# Altium PCB Stabilizer.PCBDOC (part 6 of 8)
Units mil, origin at the board's own origin, x right, y up, seen from the top; angles counter-clockwise.
Board outline 6397 x 3937 mil, 4 copper layers (Top, GP1(GND), L3, Bot), stack 64.883 mil thick; 687 components, 419 nets, 2137 pads, 1042 vias.
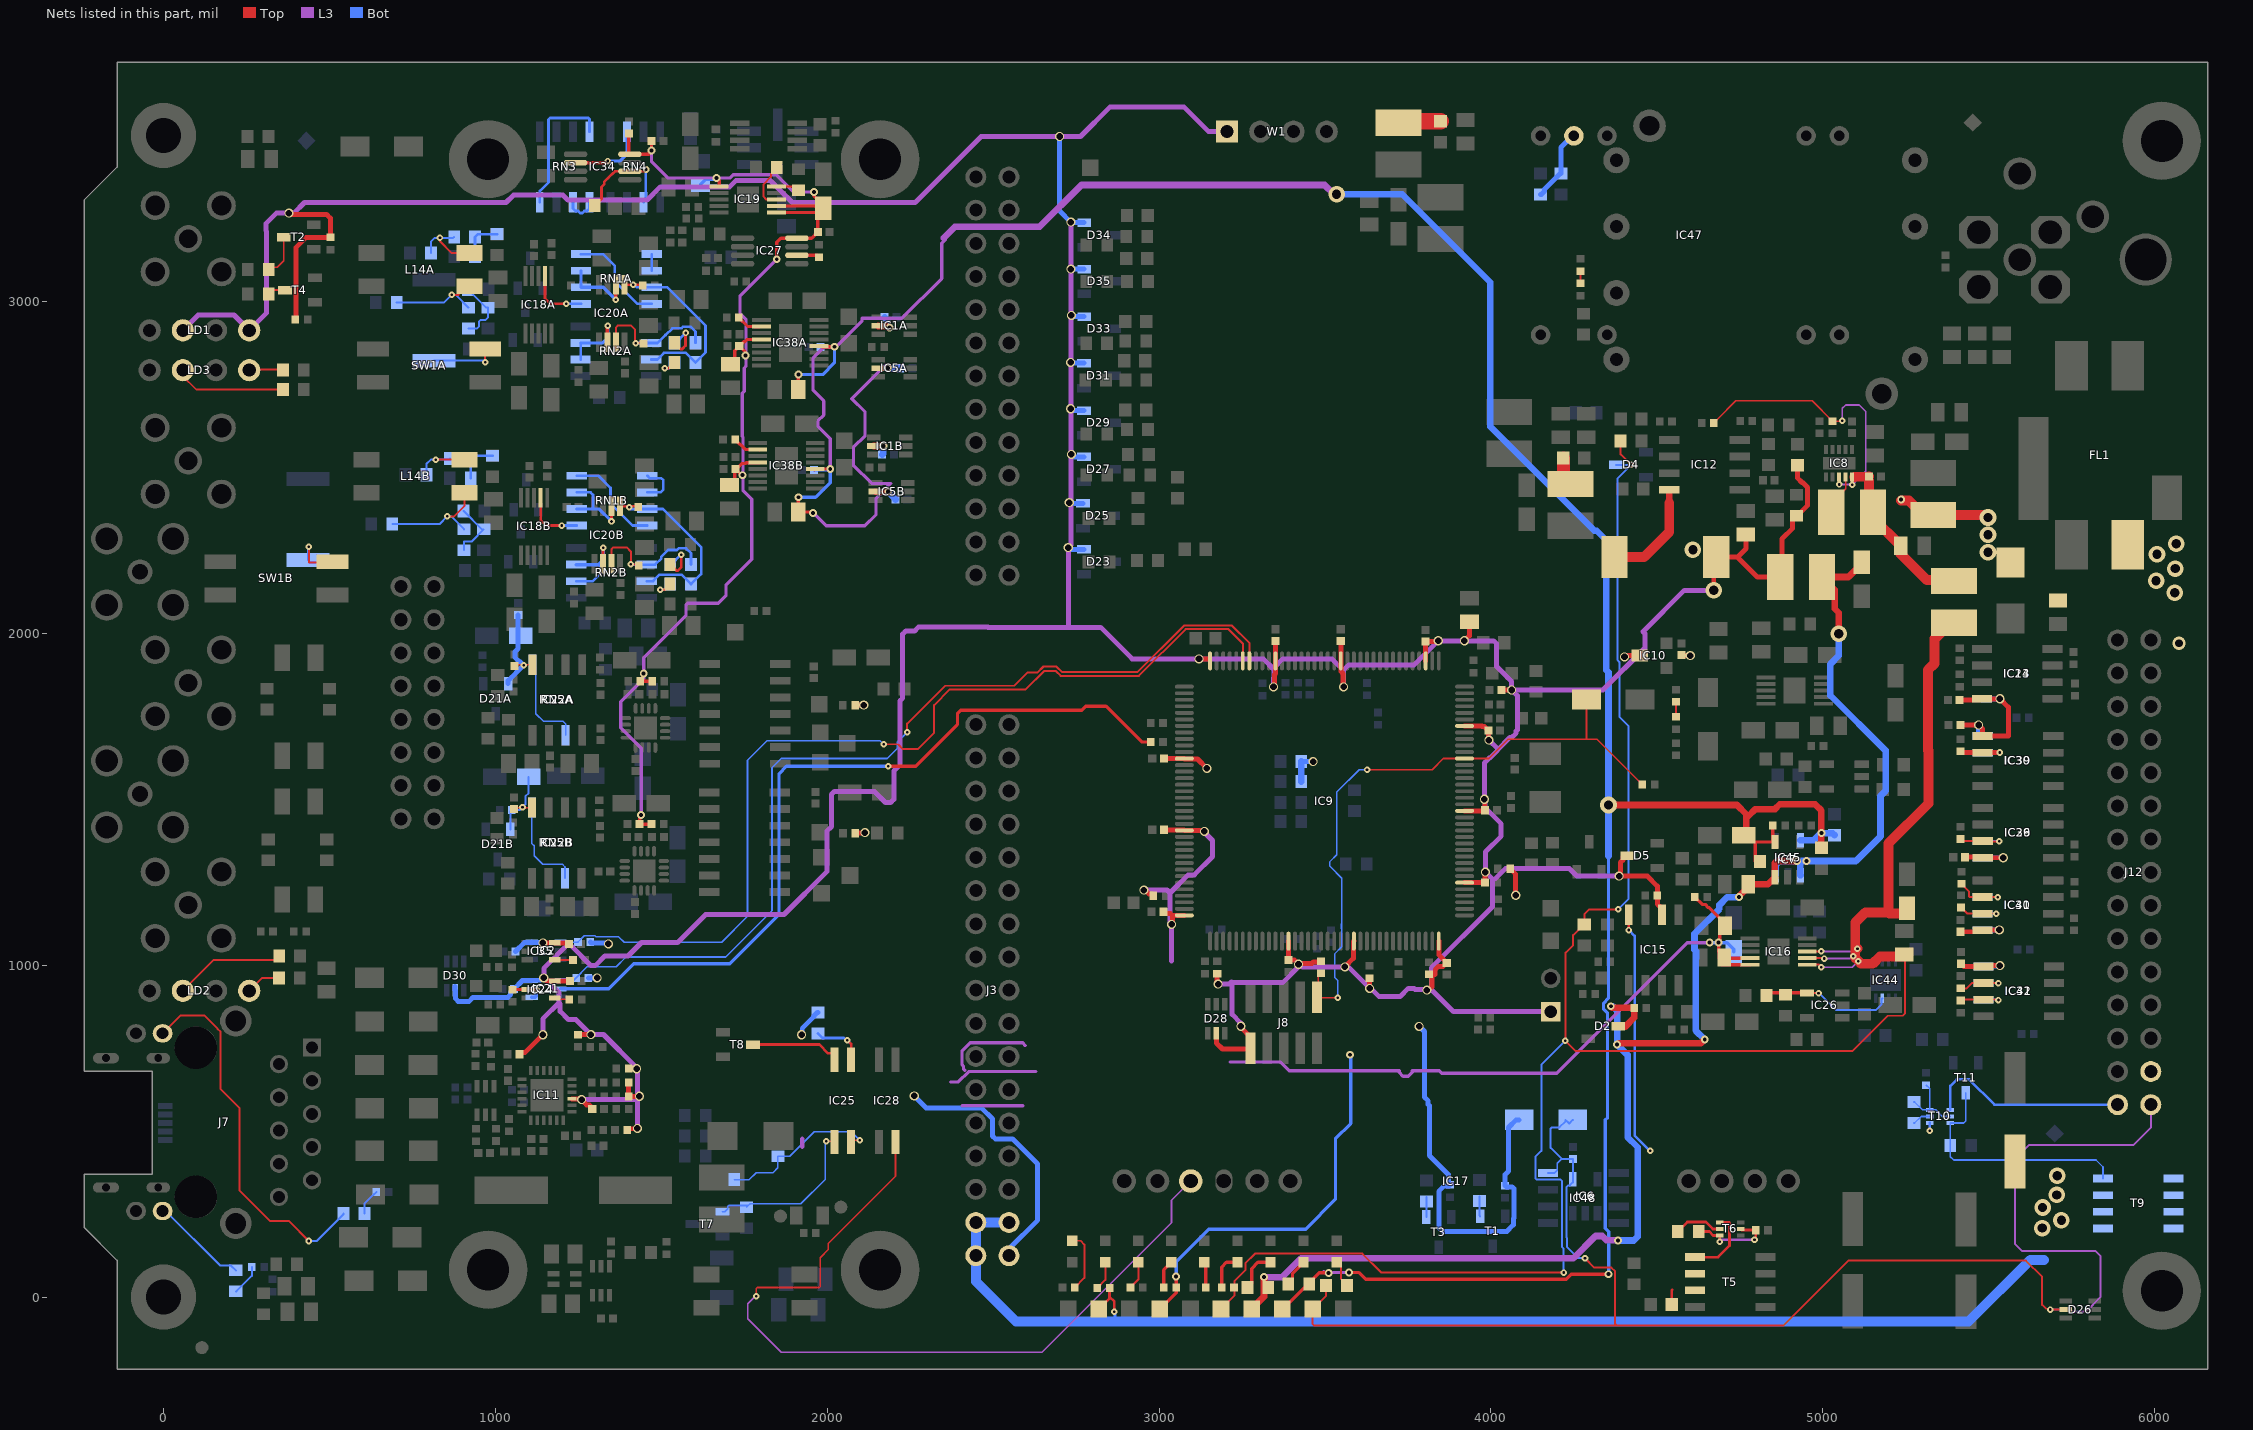
[diagram p8: the nets of this part, all layers, seen from the top]

## Via types
v1: diameter 19.68, hole 7.87, Top to Bot, tented both sides, 826 vias
v2: diameter 27.56, hole 19.68, Top to Bot, tented both sides, 83 vias
v3: diameter 19.68, hole 7.87, Top to Bot, 49 vias
v4: diameter 23.62, hole 11.81, Top to Bot, tented both sides, 41 vias
v5: diameter 50, hole 28, Top to Bot, tented both sides, 37 vias
v6: diameter 25.98, hole 12.99, Top to Bot, tented both sides, 5 vias
v7: diameter 39.37, hole 23.62, Top to Bot, tented both sides, 1 vias

## Nets (pads, with @x,y where several pads share a name; then routed paths per layer and width w, separated by ;. In a path a pad name is that pad's centre, name@x,y a point inside that pad or via, vN(x,y) a via of type N, cw(c..) or ccw(c..) an arc to the next point about the centre after c; other vN are vias at no path point) (continued)
NetIC17_3: IC17.3 IC28.2 | length 2459.1
  Top w5: v1(1786,3) 1786,26 1789.06,29.06 1975.58,29.06 1978.51,31.99 1978.51,118.49 2003.5,143.48 2003.5,161.5 2205.76,363.76 IC28.2@2205.76,467.01
  L3 w5: v1@1786,5.86 1760.5,-19.64 1760.5,-65.5 1861.5,-166.5 2646.94,-166.5 3037.52,224.08 3037.52,291.9 IC17.3@3095.19,349.57
NetIC18A_7: IC18A.7 RN1A.1 | length 182.8
  Top w8: IC18A.7@1149.82,3076.67 1149.82,3009.15 1166.31,2992.65 v1(1213.17,2992.65)
  Bot w8: v1(1213.17,2992.65) RN1A.1@1258.31,2992.65
NetIC18B_7: IC18B.7 RN1B.1 | length 182.8
  Top w8: IC18B.7@1136.65,2408.77 1136.65,2341.25 1153.15,2324.75 v1(1200,2324.75)
  Bot w8: v1(1200,2324.75) RN1B.1@1245.14,2324.75
NetIC19_3: IC19.3 R145.1 | length 144.7
  Top w6: R145.1@1847.52,3399.73 1846.71,3399.73 1833.3,3386.31 1833.3,3385.51 1830.47,3382.68 1830.47,3375.15 1807.27,3351.94 1807.27,3316.32 1816.37,3307.21 IC19.3@1847.67,3307.21
NetIC19_5: IC19.5 R155.2 | length 59.8
  Top w6: IC19.5@1847.67,3346.58 1906.65,3346.58 R155.2@1907.24,3347.17
NetIC20A_1: IC20A.1 R84A.1 R170A.1 RN1A.7 RN2A.7 | length 601.6
  Top w8: IC20A.1@1388.73,3050.74 v1(1416,3050.74) 1441.14,3050.74 R84A.1@1443.56,3048.32
  Bot w8: v1(1416,3050.74) 1419.16,3050.74 1427.25,3042.65 RN1A.7@1470.91,3042.65 1518.19,3042.65 1633.17,2927.68 1633.17,2846.51 R170A.1@1602.85,2816.2 1574.17,2844.88 1508.13,2844.88 1488.14,2824.9 RN2A.7@1469.44,2824.9
NetIC20A_2: IC20A.2 RN1A.2 RN1A.3 | length 216.3
  Top w10: v1(1363.14,3004.88) IC20A.2@1363.14,3050.74
  Bot w8: RN1A.2@1258.31,3042.65 RN1A.3@1258.31,3092.65
  Bot w10: RN1A.2@1258.31,3042.65 1325.37,3042.65 v1(1363.14,3004.88)
NetIC20A_6: IC20A.6 RN2A.2 RN2A.3 | length 223.2
  Top w10: IC20A.6@1337.55,2877.51 1337.55,2925.46 v1(1338.29,2926.2)
  Bot w8: RN2A.2@1256.84,2824.9 RN2A.3@1256.84,2874.9
  Bot w10: RN2A.3@1256.84,2874.9 1323.67,2874.9 1338.29,2889.51 v1(1338.29,2926.2)
NetIC20A_7: IC20A.7 R90A.1 R171A.1 RN2A.6 | length 413
  Top w6: IC20A.7@1363.14,2877.51 1363.14,2921.33 1368.68,2926.86 1408.83,2926.86 1421.21,2914.48 v1@1421.21,2875.61 ; v1(1422.65,2874.17) 1445.18,2874.17 R90A.1@1446.35,2873
  Bot w8: v1(1422.65,2874.17) 1423.38,2874.9 RN2A.6@1469.44,2874.9 1488.14,2874.9 1512.15,2898.9 1513.14,2898.9 1533.23,2918.99 1560.49,2918.99 1565.36,2923.86 1588.27,2923.86 1602.85,2909.28 R171A.1@1602.85,2875.49
NetIC20B_1: IC20B.1 R84B.1 R170B.1 RN1B.7 RN2B.7 | length 600.2
  Top w8: IC20B.1@1375.57,2382.84 1427.98,2382.84 R84B.1@1430.39,2380.42
  Bot w8: v1(1403,2380) 1408.25,2374.75 RN1B.7@1457.74,2374.75 1505.02,2374.75 1620,2259.77 1620,2178.61 R170B.1@1589.69,2148.3 1561,2176.98 1494.96,2176.98 1474.98,2156.99 RN2B.7@1456.27,2156.99
NetIC20B_2: IC20B.2 RN1B.2 RN1B.3 | length 263.6
  Top w10: v1(1349.98,2336.98) IC20B.2@1349.98,2382.84
  Bot w8: RN1B.3@1245.14,2424.75 1286.53,2424.75 1294.06,2417.22 1294.06,2381.3 1294.8,2380.55 1289,2374.75
  Bot w10: RN1B.2@1245.14,2374.75 1289,2374.75 1312.2,2374.75 v1(1349.98,2336.98)
NetIC20B_6: IC20B.6 RN2B.2 RN2B.3 | length 291.1
  Top w10: IC20B.6@1324.38,2209.61 1324.38,2257.56 v1(1325.12,2258.3)
  Bot w8: RN2B.2@1243.68,2156.99 1293.68,2156.99 1323.48,2186.8 1323.48,2193.43 1309.91,2206.99
  Bot w10: RN2B.3@1243.68,2206.99 1310.51,2206.99 1325.12,2221.61 v1(1325.12,2258.3)
NetIC20B_7: IC20B.7 R90B.1 R171B.1 RN2B.6 | length 417.1
  Top w6: IC20B.7@1349.98,2209.61 1349.98,2253.43 1355.51,2258.96 1395.66,2258.96 1408.05,2246.58 v1(1408.05,2207.71) 1427.51,2207.71 R90B.1@1430.39,2204.83
  Bot w8: v1(1408.05,2207.71) 1408.76,2206.99 RN2B.6@1456.27,2206.99 1481.61,2206.99 1499.98,2225.36 1499.98,2231 1520.06,2251.09 1547.33,2251.09 1552.2,2255.96 1575.11,2255.96 1589.69,2241.38 R171B.1@1589.69,2207.59
NetIC21_2: IC21.2 R1.1 | length 2443.8
  Top w10: v1(2183.68,1599.43) 2266.62,1599.43 2392.26,1725.07 2392.26,1758.22 2402.44,1768.4 2766.54,1768.4 2778.41,1780.28 2840.12,1780.28 2947.64,1672.76 R1.1@2974.78,1672.76
  Bot w10: IC21.2@1196.31,928.67 1341.93,928.67 1417.17,1003.91 1705.94,1003.91 1854.88,1152.85 1854.88,1577.26 1877.04,1599.43 v1(2183.68,1599.43)
NetIC21_4: IC21.4 IC24.2 R200.2 | length 109.1
  Top w10: R200.2@1051.93,926.5 IC24.2@1096,926.5 v1(1124.97,926.5)
  Bot w10: IC21.4@1109.69,903.08 1120.52,903.08 1123.39,905.95 1123.39,924.92 v1(1124.97,926.5)
NetIC24_4: IC24.4 R209.1 | length 45.7
  Top w5: IC24.4@1178.68,900.91 1181.78,897.81 1221.96,897.81 R209.1@1222.73,897.04
NetIC25_1: IC25.1 R168.1 | length 160.5
  Top w8: v1(2060.78,773.56) 2072,762.34 IC25.1@2072,715.04
  Bot w8: R168.1@1972.06,794.31 1985.77,780.59 2050.59,780.59 2057.62,773.56 v1(2060.78,773.56)
NetIC25_2: IC25.2 T8.3 | length 271.3
  Top w8: T8.3@1776.33,761 1976.04,761 2002.88,734.16 2014.19,734.16 2022,726.35 IC25.2@2022,715.04
NetIC25_3: IC25.3 R184.2 T7.1 | length 505.6
  Top w5: v1(1997.21,469.28) 2022,469.28 IC25.3@2022,467.01 IC25.3@2021.73,466.74
  Bot w5: T7.1@1684.28,257.14 1691.35,257.14 1700.66,266.45 1700.66,273.52 1703.14,276 R184.2@1762.5,276 ; R184.2@1757,270.5 R184.2@1762.5,276 ; v1(1997.21,469.28) 1994.4,466.47 1994.4,459.84 1993.57,459.01 1993.57,354 1920.67,281.09 1767.6,281.09 R184.2@1762.5,276
NetIC25_4: IC25.4 R140.1 R146.2 | length 497.7
  Top w5: IC25.4@2072,467.01 2077.99,473 v1(2098,473)
  Bot w5: R140.1@1719.5,354 1765.15,354 1786.15,375 1836.54,375 1851.31,389.76 R146.2@1851.31,424.5 1887.54,424.5 1961.29,498.25 1992.64,498.25 1992.82,498.44 2072.56,498.44 v1(2098,473)
NetIC26_4: IC26.4 IC44.3 R32.1 R38.2 | length 397.3
  Top w6: IC26.4@4952.2,916.69 4953.39,915.5 v1(4987,915.5)
  Top w10: R38.2@4830.15,908.82 4838.02,916.69 IC26.4@4952.2,916.69
  Bot w6: v1(4987,915.5) 4988.83,915.5 5038.92,865.41 5160.28,865.41 5177.24,882.36 5177.24,898.3 IC44.3@5179.16,900.22
NetIC27_6: IC27.6 R165.1 | length 69.5
  Top w10: IC27.6@1908.44,3139.3 1969.84,3139.3 R165.1@1975.55,3133.59
NetIC29_7: IC29.7 IC36.2 R112.2 | length 170.1
  Top w6: R112.2@5414.58,1380.27 5421.07,1373.78 IC29.7@5481.76,1373.78 5482.53,1373 v1(5531.53,1373)
  Bot w6: IC36.2@5481.75,1373.77 5528.41,1373.77 5529.18,1373 v1(5531.53,1373)
NetIC30_2: IC30.2 IC39.7 R113.2 | length 171.7
  Top w15: R113.2@5414.57,1644.05 5418.31,1640.31 IC30.2@5481.36,1640.31 5532.44,1640.31 v1(5533,1640.88)
  Bot w15: IC39.7@5481.7,1640.31 5532.44,1640.31 v1(5533,1640.88)
NetIC31_6: IC31.6 IC40.3 R117.2 | length 179.6
  Top w6: R117.2@5417.14,1244.99 5417.46,1244.99 5440.02,1222.43 5440.02,1208.43 5443.4,1205.05 IC31.6@5481.36,1205.05 5526.58,1205.05 v1(5526.64,1205)
  Bot w6: IC40.3@5481.36,1205.05 5481.41,1205 v1(5526.64,1205)
NetIC31_7: IC31.7 IC40.2 R115.2 | length 156.3
  Top w6: R115.2@5416.15,1173.85 5416.94,1173.85 5435.74,1155.05 IC31.7@5481.36,1155.05 v1(5523,1155.05)
  Bot w6: IC40.2@5481.36,1155.05 v1(5523,1155.05)
NetIC32_2: IC32.2 IC41.7 R118.2 | length 165.3
  Top w6: R118.2@5415.54,930.39 5433.17,930.39 5448.8,946.02 IC32.2@5483.76,946.02 v1(5529.03,946)
  Bot w6: IC41.7@5483.76,946.02 v1(5529.03,946)
NetIC32_3: IC32.3 IC41.6 R119.2 | length 160.6
  Top w6: R119.2@5415.54,893.7 5417.87,896.02 IC32.3@5483.76,896.02 5528.01,896.02 v1(5529.03,895)
  Bot w6: IC41.6@5483.76,896.02 5525.27,896.02 5525.95,895.35 5528.69,895.35 v1(5529.03,895)
NetIC34_2: IC34.2 RN4.6 | length 232.4
  Top w10: IC34.2@1241.75,3417.88 1333.03,3417.88 v1(1338.15,3423)
  Bot w10: v1(1338.15,3423) 1374.33,3423 1396.86,3445.53 RN4.6@1396.86,3511.38
NetIC34_6: IC34.6 R72.1 RN4.2 | length 327.8
  Top w8: R72.1@1299.56,3288.51 1320,3308.96 1320,3345.04 1328.02,3353.06 1328.02,3360.47 1339.06,3371.51 1340,3371.51 1360.78,3392.29 IC34.6@1405.13,3392.29 1449.29,3392.29 v1(1454.59,3397.59)
  Bot w8: RN4.2@1446.86,3298.79 1453.13,3305.06 1453.13,3396.55 v1@1454.38,3397.8
NetIC35_4: IC35.4 R216.1 | length 55.4
  Top w5: IC35.4@1178.68,1016.2 1179.01,1015.87 R216.1@1233.98,1015.87
NetIC38A_2: IC38A.2 R10A.2 | length 94.1
  Top w10: R10A.2@1733.88,2951.54 1760.93,2924.49 IC38A.2@1802.39,2924.49 ; IC38A.2@1781.53,2923.54 1795.7,2923.54 IC38A.2@1795.86,2923.38
NetIC38B_2: IC38B.2 R10B.2 | length 85.3
  Top w10: R10B.2@1722.98,2583.49 1752.51,2553.97 IC38B.2@1790.69,2553.97 ; IC38B.2@1790.69,2553.73 1795.85,2553.73 IC38B.2@1796.01,2553.57
NetIC47_10: IC47.10 R226.1 R227.2 | length 222.7
  Bot w15: R227.2@4149.63,3322.37 4151.6,3322.37 4161.82,3332.59 4161.82,3338.76 4208.42,3385.36 R226.1@4210.39,3385.36 4210.39,3463.74 4245.7,3499.04 IC47.10@4249.63,3499.04
NetJ7_L1: J7.L1 R35.2 | length 1130.5
  Top w6: J7.L1@-2.6,794.63 50.56,847.79 124.21,847.79 162.63,809.37 162.63,808.95 171.93,799.66 171.93,626.69 228.62,569.99 228.62,322.19 322.32,228.5 378.5,228.5 v1(438,169)
  Bot w6: v1(438,169) 461.47,169 542.5,250.03 R35.2@542.5,252
NetJ7_L3: J7.L3 R39.2 | length 294.5
  Bot w6: J7.L3@-2.6,259.2 6.8,259.2 170.79,95.21 203.16,95.21 R39.2@217.87,80.5
NetL10_1: L10.1 L20.2 | length 128.7
  Top w50: L10.1@3721.17,3538.56 3725.1,3542.5 L20.2@3848.19,3542.5
NetL12_1: L12.1 L21.2 | length 88.1
  Top w39.37: L21.2@4218.27,2528.06 4218.27,2469.78 4237.95,2450.1 L12.1@4239.92,2450.1
NetL14A_3: L14A.3 R86A.2 R87A.1 | length 305.8
  Top w6: v1(868.77,3020.1) 888.77,3020.1 914.43,3045.76 L14A.3@921.85,3045.76
  Bot w6: R86A.2@702.57,2997.33 846,2997.33 v1(868.77,3020.1) 880.21,3020.1 R87A.1@919.11,2981.2
NetL14A_4: L14A.4 R79A.2 R80A.1 | length 223.8
  Top w6: v1(833.17,3191.35) 833.17,3180.72 868.13,3145.76 L14A.4@921.85,3145.76
  Bot w6: R79A.2@805.73,3145.76 805.73,3179.73 817.35,3191.35 v1(833.17,3191.35) 872.97,3191.35 R80A.1@875.8,3194.18
NetL14B_3: L14B.3 R86B.2 R87B.1 | length 346.5
  Top w6: v1(855.6,2352.19) 875.6,2352.19 907.3,2383.89 L14B.3@907.3,2423.45
  Bot w6: R86B.2@689.41,2329.43 832.84,2329.43 v1(855.6,2352.19) 867.04,2352.19 R87B.1@905.94,2313.3
NetL14B_4: L14B.4 R79B.2 R80B.1 | length 196.6
  Top w6: v1(820,2523.45) L14B.4@907.3,2523.45
  Bot w6: R79B.2@792.56,2477.86 792.56,2510.56 805.45,2523.45 v1(820,2523.45) 859.8,2523.45 R80B.1@862.63,2526.28
NetLD2_2: LD2.2 R58.1 | length 333.8
  Top w6: LD2.2@58.43,922.76 151.86,1016.2 336.73,1016.2 R58.1@348.61,1028.09
NetLD2_4: LD2.4 R76.1 | length 105.6
  Top w6: LD2.4@258.43,922.76 297.4,961.74 R76.1@347.88,961.74
NetLD3_2: LD3.2 R77.1 | length 338.5
  Top w5: LD3.2@58.43,2794.81 58.43,2774.44 98.32,2734.54 R77.1@360,2734.54
NetLD3_4: LD3.4 R78.1 | length 102.4
  Top w5: LD3.4@258.43,2794.81 358,2794.81 R78.1@360,2792.81
NetLD4_2: LD4.2 R20.1 | length 87.8
  Top w6: R20.1@2813.69,27.09 2838.28,51.68 LD4.2@2838.28,104.75
NetLD5_2: LD5.2 R21.1 | length 85.6
  Top w6: R21.1@2913.88,29.06 2937.75,52.94 LD5.2@2937.75,104.75
NetLD6_1: LD6.1 R61.1 | length 182.4
  Top w6: LD6.1@2738.81,169.72 2763.28,169.72 2775,158 2775,57.7 R61.1@2745.99,28.69
NetLD7_2: LD7.2 R63.2 | length 77.1
  Top w10: LD7.2@3136.69,104.75 3140.11,101.34 R63.2@3140.11,29.06
NetLD8_2: LD8.2 R64.2 | length 114.8
  Top w10: R64.2@3188.68,29.06 3188.68,90.49 3202.95,104.75 LD8.2@3236.17,104.75
NetLD10_2: LD10.2 R159.2 | length 126.7
  Top w10: R159.2@3266.09,29.06 3278.81,41.78 3278.81,72.41 3279.08,72.69 3279.08,86.08 3297.75,104.75 LD10.2@3335.64,104.75
NetLD11_2: LD11.2 R160.2 | length 89.2
  Top w6: LD11.2@3534.58,104.75 3547.33,92.01 3547.33,55.06 3562.98,39.42 R160.2@3554.44,30.88
NetLD12_2: LD12.2 R151.2 | length 85.2
  Top w10: R151.2@3014.31,29.06 3014.31,81.84 LD12.2@3037.22,104.75
NetLD13_2: LD13.2 R152.1 | length 84.8
  Top w10: R152.1@3389.32,38.91 3402.04,51.62 3402.04,71.68 LD13.2@3435.11,104.75
NetR15A_2: R15A.2 R171A.2 | length 129
  Top w8: R15A.2@1539.86,2875.49 1558.56,2856.79 1563.16,2856.79 1573.17,2866.79 v1(1573.17,2905.01)
  Bot w8: R171A.2@1539.86,2875.49 1543.64,2875.49 v1(1573.17,2905.01)
NetR15B_2: R15B.2 R171B.2 | length 129
  Top w8: R15B.2@1526.69,2207.59 1545.39,2188.89 1549.99,2188.89 1560,2198.89 v1(1560,2237.11)
  Bot w8: R171B.2@1526.69,2207.59 1530.47,2207.59 v1(1560,2237.11)
NetR35_1: R35.1 R212.2 | length 80
  Bot w6: R35.1@605.5,252 605.5,280.69 632.61,307.8 632.85,307.8 641.26,316.21 R212.2@641.26,317
NetR39_1: R39.1 R213.2 | length 94.9
  Bot w6: R39.1@217.87,17.5 219.84,17.5 266.5,64.16 R213.2@266.5,91.14
NetR59_2: R59.2 T2.3 | length 131
  Top w5: R59.2@313.98,3095.76 320.86,3102.64 342.43,3102.64 362.25,3122.46 T2.3@362.25,3194.14
NetR62_1: R62.1 T6.2 | length 147.5
  Top w8: R62.1@4562.83,197.4 4591.51,226.08 4647.55,226.08 4668.36,205.27 T6.2@4689.84,205.27
NetR62_2: R62.2 R102.2 T6.3 T6.5 | length 272.3
  Top w8: R62.2@4625.82,197.4 4657.85,197.4 4669.66,185.58 T6.3@4689.84,185.58 4689,184.74 v1(4689,167) ; T6.5@4752.05,205.27 4755.23,202.08 4796.83,202.08 R102.2@4797.58,201.33 4797.58,176.58 v1(4794,173)
  L3 w8: v1(4689,167) 4695,173 v1(4794,173)
NetR70_1: R70.1 T1.1 | length 60.1
  Bot w6: R70.1@3965.54,302.6 3965.54,245.18 T1.1@3967.44,243.28
NetR71_1: R71.1 T3.1 | length 59.9
  Bot w6: T3.1@3805.06,240.97 R71.1@3805.06,300.87
NetR80A_2: R80A.2 R81A.1 R82A.2 | length 128.8
  Bot w8: R82A.2@938.79,3135.13 R80A.2@938.79,3194.18 947.45,3202.85 R81A.1@1004.92,3202.85
NetR80B_2: R80B.2 R81B.1 R82B.2 | length 128.8
  Bot w8: R82B.2@925.63,2467.23 R80B.2@925.63,2526.28 934.29,2534.94 R81B.1@991.76,2534.94
NetR83A_1: R83A.1 SW1A.4 | length 197.6
  Top w6: v1(969.49,2816.2) SW1A.4@969.49,2856.79
  Bot w6: R83A.1@814.61,2821.35 964.33,2821.35 v1(969.49,2816.2)
NetR83B_1: R83B.1 SW1B.4 | length 159.8
  Top w6: v1(438,2260.84) 438,2214 507.96,2214 SW1B.4@509.61,2215.65
  Bot w6: R83B.1@435.59,2221.17 435.59,2258.43 v1(438,2260.84)
NetR87A_2: R87A.2 R88A.1 R89A.2 | length 195
  Bot w6: R88A.1@917.14,3036.7 972.65,2981.2 R89A.2@978.16,2981.2 978.16,2952 970.09,2943.92 955.16,2943.92 950.48,2939.24 950.48,2924.31 944.37,2918.21 R87A.2@919.11,2918.21
NetR87B_2: R87B.2 R88B.1 R89B.2 | length 184.4
  Bot w6: R88B.1@903.97,2368.8 959.48,2313.3 R89B.2@965,2313.3 928.08,2276.38 905.94,2276.38 R87B.2@905.94,2250.3
NetR92_2: R92.2 T4.3 | length 68.9
  Top w5: R92.2@301.73,3022.92 313.16,3034.35 T4.3@365.91,3034.35
NetR103_1: R103.1 R204.1 | length 44.9
  Top w6: R204.1@4558,1748.49 R103.1@4558,1793.37
NetR142_2: R142.2 R143.2 | length 36.8
  Top w6: R142.2@4270,3054.5 R143.2@4270,3091.27
NetR162A_2: R162A.2 R170A.2 | length 88.3
  Top w8: v1(1510.03,2798.77) 1522.43,2798.77 R162A.2@1539.86,2816.2
  Bot w8: v1(1510.03,2798.77) 1524.1,2798.77 1539.86,2814.52 R170A.2@1539.86,2816.2 R170A.2@1530.51,2806.85
NetR162B_2: R162B.2 R170B.2 | length 88.3
  Top w8: v1(1496.86,2130.86) 1509.26,2130.86 R162B.2@1526.69,2148.3
  Bot w8: v1(1496.86,2130.86) 1510.93,2130.86 1526.69,2146.62 R170B.2@1526.69,2148.3 R170B.2@1517.35,2138.95
NetR194_1: R194.1 T10.2 | length 55.6
  Bot w5: R194.1@5274.35,524.63 5276.31,524.63 5296,544.31 T10.2@5321.8,544.31
NetR194_2: R194.2 R196.2 T10.3 T10.5 | length 206.8
  Bot w5: R194.2@5274.35,587.62 5276.31,587.62 5299.94,564 T10.3@5321.8,564 ; R196.2@5311.19,638.33 5311.97,638.33 5321.8,628.51 T10.3@5321.8,564 ; T10.5@5384,544.31 5359.86,544.31 5340.18,564 T10.3@5321.8,564
NetR195_2: R195.2 T9.4 T10.6 T11.3 | length 743.4
  Bot w5: T11.3@5430.64,615.45 5430.64,530.64 5424.63,524.63 T10.6@5384,524.63 R195.2@5384,456.16 5384,423 5394,413 5823,413 5844,392 T9.4@5844,357
NetRN1A_4: RN1A.4 RN1A.8 | length 301.7
  Bot w8: RN1A.4@1258.31,3142.65 1323.67,3142.65 1360.03,3106.3 1360.03,3060.28 1427.65,2992.65 RN1A.8@1470.91,2992.65
NetRN1A_5: RN1A.5 RN1A.6 | length 50
  Bot w8: RN1A.6@1470.91,3092.65 RN1A.5@1470.91,3142.65
NetRN1B_4: RN1B.4 RN1B.8 | length 302.4
  Bot w8: RN1B.4@1245.14,2474.75 1310.51,2474.75 1346.86,2438.4 1346.86,2391.11 1413.22,2324.75 RN1B.8@1457.74,2324.75
NetRN1B_5: RN1B.5 RN1B.6 | length 133.4
  Bot w8: RN1B.6@1457.74,2424.75 1497.07,2424.75 1506.04,2433.72 1506.04,2461.25 1500.25,2467.03 1465.46,2467.03 RN1B.5@1457.74,2474.75
NetRN3_1: RN3.1 RN3.2 | length 98.8
  Bot w8: RN3.2@1233.89,3298.79 1233.89,3280.08 1241.7,3272.27 1249.49,3272.27 1255.45,3266.31 1262.08,3266.31 1268.04,3272.27 1276.07,3272.27 1283.89,3280.08 RN3.1@1283.89,3298.79
NetRN3_4: RN3.4 RN3.8 | length 424.9
  Bot w8: RN3.4@1133.89,3298.79 1133.89,3332.53 1160.08,3358.73 1160.08,3548.03 1164.78,3552.72 1280,3552.72 1283.89,3548.84 RN3.8@1283.89,3511.38
NetRN5A_1: RN5A.1 RN5A.6 | length 288.6
  Bot w5: RN5A.1@1111.85,1905.43 1121.29,1895.99 1121.29,1758.12 1144.84,1734.57 1203.89,1734.57 1211.85,1726.61 RN5A.6@1211.85,1692.84
NetRN5B_1: RN5B.1 RN5B.6 | length 288.6
  Bot w5: RN5B.1@1110.08,1474.81 1110.08,1366.66 1117.3,1359.44 1117.3,1329.72 1143.08,1303.94 1202.13,1303.94 1210.08,1295.99 RN5B.6@1210.08,1262.21
NRST: D1.2 IC9.25 J8.10 R13.2 R14.1 | length 1974
  Top w5: v1(3538.72,902) 3477.21,902 J8.10@3475.58,903.63 3479.06,907.11 R13.2@3479.06,966.38 ; v1(3626.5,1589.08) 3822.96,1589.08 3856.52,1622.64 IC9.25@3920.4,1622.64 3993.46,1622.64 4051.45,1680.63 4287.33,1680.63 ; D1.2@4287.56,1800.24 4287.56,1680.86 4287.33,1680.63 ; R14.1@4456.03,1543.9 4456.03,1544.69 4447.11,1553.61 4446.32,1553.61 4319.3,1680.63 4287.33,1680.63 ; R13.2@3479.06,966.38 R13.2@3487.98,975.3 ; R13.2@3479.06,966.38 R13.2@3487.98,975.3 ; R13.2@3487.98,975.3 R13.2@3488.31,975.3 R13.2@3487.98,975.3
  Bot w5: v1(3538.72,902) 3538.72,954.16 3528.72,964.16 3528.72,1033.97 3550.33,1055.58 3550.33,1108.93 3549.71,1109.56 3549.71,1123.92 3550.33,1124.54 3550.33,1262.14 3514.66,1297.82 3514.66,1312.18 3535.18,1332.71 3535.18,1521.69 3602.58,1589.08 v1(3626.5,1589.08)
OEn_DO0: IC2.1 IC9.67 R214.1 | length 2891.3
  Top w5: v1(2169.74,1665.71) 2213.38,1665.71 2216.26,1662.83